# Altium PCB DAC_Sources.PcbDoc (part 8 of 8)
Units mm, origin at the board's own origin, x right, y up, seen from the top; angles counter-clockwise.
Board outline 277 x 137 mm, 8 copper layers (Top Layer, GND_02, SIG_03, PWR_04, PWR_05, SIG_06, GND_07, Bottom Layer), stack 1.669 mm thick; 635 components, 416 nets, 2247 pads, 2216 vias.
Unrouted connection lines stored in the file: 515.
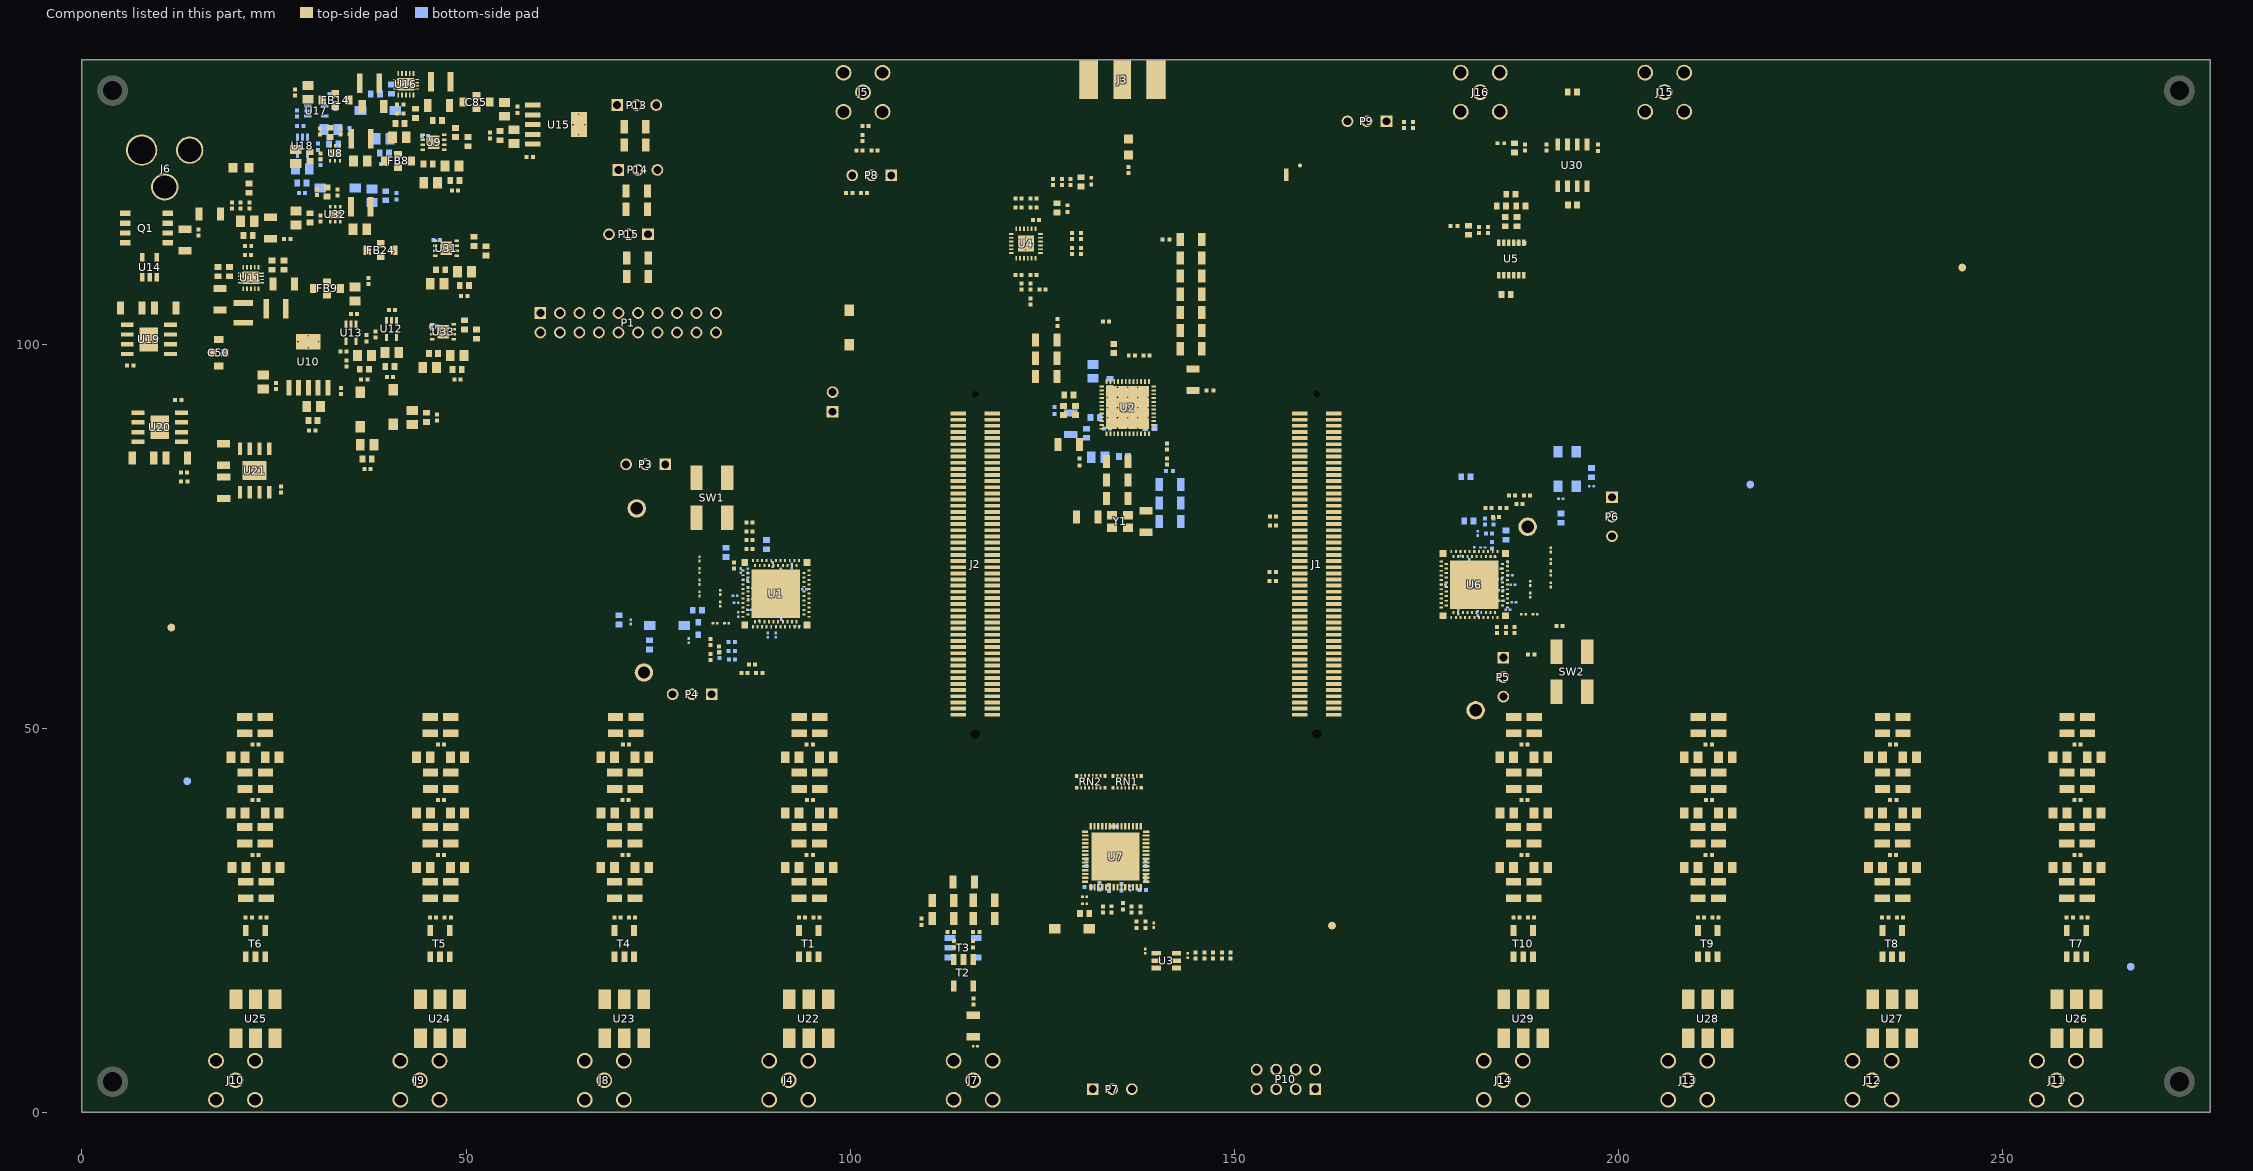
[diagram p14: the components of this part, seen from the top]

## Polygon pours and split planes (outlines as drawn) (continued)
GND on Top Layer "GND_L01_P034" (solid, remove dead copper, pour order 34): 48.44,121.68 47.89,122.23 47.89,123.96 47.67,124.18 47.07,124.18 46.52,124.73 46.52,127.03 46.43,127.12 45.31,127.12 45.02,126.83 45.02,124.3 45.29,124.03 45.29,123.02 45.74,122.57 45.74,120.01 46.33,119.42 48.17,119.42 48.44,119.69
NetC37_2 on Top Layer "NETC37_2_L01_P033" (solid, remove dead copper, pour order 33): 44.86,125.03 44.74,125.15 44.74,126.13 44.67,126.2 44.06,126.2 43.7,125.84 43.7,125.34 43.06,124.7 42.37,124.7 42.21,124.54 42.21,123.04 42.49,122.76 42.49,121.14 43.81,119.82 44.87,119.82 45.4,120.35 45.4,122.34 44.86,122.88
NetC85_1 on Top Layer "NETC85_1_L01_P031" (solid, remove dead copper, pour order 31): 48.91,136.06 50.14,134.83 50.14,130.88 49.93,130.67 47.18,130.67 46.62,131.23 46.62,135.9 46.78,136.06
6V on Top Layer "6V_L01_P030" (solid, remove dead copper, pour order 30): 43.084,127.936 42.46,128.56 42.46,132.02 42.35,132.13 42.35,132.75 42.2,132.9 41.63,132.9 41.48,132.75 41.48,126.06 42.07,125.47 42.91,125.47 43.084,125.644
NetC34_1 on Top Layer "NETC34_1_L01_P029" (solid, remove dead copper, pour order 29): 36.84,128.24 38.09,128.24 38.64,127.69 38.64,124.82 38.98,124.48 39.93,124.48 40.04,124.37 40.04,123.18 39.84,122.98 36.65,122.98 36.41,123.22 36.41,125.07 36.59,125.25 36.56,125.28 36.56,127.96
GND on Top Layer "GND_L01_P028" (solid, remove dead copper, pour order 28): 27.74,124.72 29.11,124.72 29.27,124.56 31.9,124.56 32.15,124.31 33.31,124.31 33.43,124.19 33.43,123.02 33.58,122.87 35.79,122.87 36.02,123.1 36.02,124.51 35.78,124.75 34.37,124.75 33.72,125.4 33.28,125.4 33.16,125.52 33.16,126.03 33.09,126.1 32.83,126.1 32.74,126.01 32.74,125.47 32.65,125.38 29.15,125.38 28.6,125.93 27.491,125.93 27.381,125.82
NetC64_2 on Top Layer "NETC64_2_L01_P027" (solid, remove dead copper, pour order 27): 41.88,93.55 41.44,93.11 40,93.11 39.79,93.32 39.79,94.66 40.26,95.13 40.26,100.99 40.76,101.49 41.42,101.49 41.88,101.03
GND on Top Layer "GND_L01_P026" (solid, remove dead copper, pour order 26): 38.58,99.69 38.23,99.34 37.14,99.34 36.89,99.09 36.89,95.03 37.37,94.55 39.35,94.55 40,95.2 40,99.68 40.01,99.69
GND on Top Layer "GND_L01_P025" (solid, remove dead copper, pour order 25): 46.43,91.97 47.24,91.16 47.24,90.75 47.06,90.57 42.3,90.57 41.88,90.99 41.88,91.72 42.13,91.97
1.2VDAC1 on Top Layer "1.2VDAC1_L01_P024" (solid, remove dead copper, pour order 24): 43.09,88.51 42.72,88.14 40.05,88.14 39.68,88.51 39.68,90.24 39.84,90.4 47.1,90.4 47.32,90.18 47.32,89.76 46.07,88.51
VCCO_13 on Top Layer "VCCO_13_L01_P023" (solid, remove dead copper, pour order 23): 48.51,111.25 49.02,110.74 49.64,110.74 50.1,110.28 50.1,108.24 49.86,108 49.86,105.83 50.07,105.62 51.19,105.62 51.72,106.15 51.72,110.2 49.53,112.39 48.55,112.39 48.51,112.35
VCCO_13 on Top Layer "VCCO_13_L01_P022" (solid, remove dead copper, pour order 22): 48.14,101.32 48.13,101.31 48.13,100.39 49.17,99.35 49.17,95.81 48.98,95.62 48.98,94.99 49.07,94.9 50.98,94.9 51.31,95.23 51.31,98.76 48.77,101.3 48.77,101.45 48.73,101.49 48.2,101.49 48.14,101.43
GND on Top Layer "GND_L01_P021" (solid, remove dead copper, pour order 21): 48.72,99.07 47.74,100.05 47.74,101.07 46.47,101.07 46.29,100.89 46.29,99.96 45.91,99.58 45.91,98.12 45.54,97.75 45.54,95.31 46.07,94.78 48.46,94.78 48.72,95.04
NetC291_2 on Top Layer "Top Layer-NetC291_2" (solid, remove dead copper, pour order 20): 45.57,100.07 45.97,100.47 45.97,101.43 45.86,101.54 45.26,101.54 44.79,102.01 44.79,105.95 45.94,107.1 45.94,108.78 46.39,109.23 46.39,112.25 46.33,112.31 43.27,112.31 42.63,112.95 40.15,112.95 40.07,112.87 40.07,111.31 40.4,110.98 44.08,110.98 44.54,110.53 44.54,107.66 43.62,106.74 43.62,96.24 43.84,96.02 44.8,96.02 45.01,96.23 45.01,97.79 45.28,98.06 45.44,98.06 45.57,98.19
GND on Top Layer "GND_L01_P018" (solid, remove dead copper, pour order 18): 48.17,113.32 48.17,110.79 48.68,110.28 49.41,110.28 49.53,110.16 49.53,106.69 49.65,106.57 49.65,105.92 49.51,105.78 47.29,105.78 46.54,106.53 46.54,108.64 46.91,109.01 46.91,111.49 46.69,111.71
NetC295_1 on Top Layer "NETC295_1_L01_P016" (solid, remove dead copper, pour order 16): 37.66,115.72 38.12,116.18 38.12,120.694 37.75,121.064 31.624,121.064 31.34,120.78 31.34,120.13 31.62,119.85 36.206,119.85 36.76,119.296 36.76,116.09 36.47,115.8 36.47,111.67 36.65,111.49 37.52,111.49 37.66,111.63
GND on Top Layer "GND_L01_P015" (solid, remove dead copper, pour order 15): 32.07,117.46 32.14,117.39 33.86,117.39 34.13,117.12 34.13,116.26 34.47,115.92 35.73,115.92 35.96,115.69 35.96,114.02 35.8,113.86 34.23,113.86 33.46,114.63 33.46,116.26 33.26,116.46 29.29,116.46 29.04,116.71 29.04,117.38 29.12,117.46
NetC96_1 on Top Layer "NETC96_1_L01_P014" (solid, remove dead copper, pour order 14): 37.49,131.32 36.95,130.78 34.2,130.78 34.05,130.93 34.05,135.33 35.19,136.47 37.34,136.47 37.49,136.32
GND on Top Layer "GND_L01_P013" (solid, remove dead copper, pour order 13): 21.5,117.14 21.63,117.27 21.92,117.27 22.07,117.42 22.07,117.89 22.02,117.94 19.26,117.94 18.824,117.504 18.824,115.216 20.09,113.95 20.09,111.45 20.42,111.12 21.32,111.12 21.5,111.3
GND on Top Layer "GND_L01_P012" (solid, remove dead copper, pour order 12): 124.74,99.72 124.74,101.3 124.3,101.74 122.78,101.74 121.83,100.79 121.83,96.55 123.67,94.71 124.57,94.71 124.75,94.89
3.3VCLK on Top Layer "3.3VCLK_L01_P009" (solid, remove dead copper, pour order 9): 141,114.67 140.84,114.83 139.98,114.83 139.44,114.29 139.44,113.52 139.79,113.17 140.78,113.17 141,113.39
VCC_OUT on Top Layer "VCC_OUT_L01_P008" (solid, remove dead copper, pour order 8): 143.47,114.57 143.56,114.48 143.56,97.83 143.14,97.41 141.26,97.41 140.86,97.81 140.86,99.25 141.48,99.87 141.48,113.1 141.22,113.36 141.22,114.03 141.76,114.57
6V on Top Layer "Top Layer-6V" (solid, remove dead copper, pour order 7): 22.509,120.514 22.205,120.21 18.49,120.21 17.32,119.04 17.32,115.93 17.57,115.68 18.22,115.68 18.57,116.03 18.57,117.619 19.071,118.12 22.259,118.12 22.339,118.04 22.339,117.309 21.73,116.7 21.73,110.49 21.82,110.4 21.82,109.7 21.92,109.6 22.54,109.6 22.73,109.79 22.73,111.67 24.07,113.01 26.589,113.01 26.74,113.161 26.74,114.25 27.35,114.86 32.61,114.86 33.19,115.44 33.19,116.12 33.1,116.21 26.43,116.21 25.41,115.19 23.756,115.19 23.34,115.606 23.34,119.36 26.84,122.86 32.42,122.86 33.16,123.6 33.16,124.03 33.1,124.09 31.54,124.09 31.28,124.35 26.04,124.35 22.509,120.819
GND on Top Layer "GND_L01_P004" (solid, remove dead copper, pour order 4): 14.87,112.72 15.09,112.5 15.09,111.12 14.56,110.59 12.88,110.59 12.38,111.09 12.38,112.57 12.53,112.72
VIN_HDR on Top Layer "VIN_HDR_L01_P003" (solid, remove dead copper, pour order 3): 10.43,114.09 10.43,112.86 10.57,112.72 11.74,112.72 12.02,113 12.02,113.905 12.205,114.09 13.98,114.09 14.41,114.52 15.749,114.52 16.09,114.861 16.09,117.76 15.93,117.92 14.62,117.92 12.8,116.1 10.38,116.1 10.12,115.84 10.12,114.4
V+U5 on Top Layer "V+U5_L01_P001" (solid, remove dead copper, pour order 1): 180.26,115.01 179.01,115.01 178.75,115.27 178.75,115.68 178.97,115.9 183.89,115.9 184.04,115.75 184.04,115.44 183.62,115.02 183.14,115.02
VCC_DS on Top Layer "VCC_DS_L01_P000" (solid, remove dead copper, pour order 0): 184.86,125.87 185,125.73 192.09,125.73 192.43,126.07 192.43,126.77 192.31,126.89 191.4,126.89 191.06,126.55 184.7,126.55 184.68,126.53 184.68,126.05
VIN_HDR on Bottom Layer "VIN_HDR_L08_P078" (solid, remove dead copper, pour order 78): 40.1,117.21 67.11,90.2 111.16,90.2 117.52,83.84 117.52,67.46 116.87,66.81 115.91,66.81 114.839,67.881 114.839,82.531 110.53,86.84 59.56,86.84 37.82,108.58 15.63,108.58 11.49,112.72 11.49,116.73 11.97,117.21
3.3VCLK on Bottom Layer "3.3VCLK_L08_P076" (solid, remove dead copper, pour order 76): 49.66,119.39 49.66,123.77 51.95,126.06 101.625,126.06 101.63,126.065 103.565,124.13 132.32,124.13 135.35,121.1 163.99,121.1 170.77,127.88 183.12,127.88 185.08,125.92 185.08,115.77 161.43,92.12 147.94,92.12 147.21,92.85 147.21,99.7 143.36,103.55 131.54,103.55 128.56,100.57 116.6,100.57 108.45,92.42 95.4,92.42 93.87,93.95 93.87,102.03 84.88,111.02 58.03,111.02
3.3VCLK_PECL on Bottom Layer "3.3VCLK_PECL_L08_P075" (solid, remove dead copper, pour order 75): 124.65,122.29 125.06,122.7 126.6,122.7 126.82,122.48 126.82,121.48 126.45,121.11 126.146,121.11 125.866,120.83 125.866,118.994 126.68,118.18 128.62,118.18 129.49,117.31 129.49,111.1 128.37,109.98 121.33,109.98 119.54,111.77 119.54,119.15 119.81,119.42 124.42,119.42 124.65,119.66
IOVDD_DAC2 on Bottom Layer "IOVDD_DAC2_L08_P069" (solid, remove dead copper, pour order 69): 196.92,83.07 194.56,83.07 193.88,82.39 193.88,80.74 193.99,80.63 195.3,80.63 196.03,81.36 196.38,81.36 196.38,81.79 196.91,82.32
GND on Bottom Layer "GND_L08_P049" (solid, remove dead copper, pour order 49): 38.82,127.52 38.98,127.36 38.98,125.55 39.2,125.33 39.2,122.78 39.28,122.7 39.28,122.3 39.18,122.2 38.21,122.2 37.44,122.97 37.44,127.22 37.74,127.52
1.2VDAC2 on Bottom Layer "1.2VDAC2_L08_P048" (solid, remove dead copper, pour order 48): 39.49,130.54 40.01,131.06 41.49,131.06 41.55,131 41.55,128.3 40.7,127.45 40.7,125.98 40.36,125.64 40.36,121.77 40.14,121.55 39.86,121.55 39.58,121.83 39.58,123.09 39.49,123.18
GND on Bottom Layer "GND_L08_P046" (solid, remove dead copper, pour order 46): 37.04,119.12 36.87,118.95 36.87,117.87 37.66,117.08 41.66,117.08 41.82,117.24 41.82,117.91 41.31,118.42 41.31,119.05 41.24,119.12
1.2VCLK_DAC2 on Bottom Layer "1.2VCLK_DAC2_L08_P045" (solid, remove dead copper, pour order 45): 36.84,119.71 37.03,119.52 40.48,119.52 40.6,119.4 41.43,119.4 41.81,119.02 42.24,119.02 42.54,119.32 42.54,120.14 41.61,121.07 34.94,121.07 34.55,120.68 34.55,119.87 34.71,119.71
GND on Bottom Layer "GND_L08_P044" (solid, remove dead copper, pour order 44): 28.42,123.53 28.49,123.46 28.49,119.37 28.31,119.19 27.62,119.19 26.45,120.36 26.45,122.77 27.21,123.53
NetC106_2 on Bottom Layer "NETC106_2_L08_P043" (solid, remove dead copper, pour order 43): 27.86,124.97 27.86,124.2 27.98,124.08 28.414,124.08 29.03,123.464 29.03,121.63 28.84,121.44 28.84,119.44 28.96,119.32 31.64,119.32 32.11,119.79 32.11,120.71 31.85,120.97 30.36,120.97 30.12,121.21 30.12,123.62 29.73,124.01 29.12,124.01 28.87,124.26 28.87,124.52 28.21,125.18 28.07,125.18
1.2VDIGI_DAC2 on Bottom Layer "1.2VDIGI_DAC2_L08_P042" (solid, remove dead copper, pour order 42): 27.64,129.91 27.41,130.14 27.41,132.66 27.42,132.67 27.15,132.94 26.76,132.94 26.54,132.72 26.54,128.955 27.41,128.085 27.41,126.49 27.55,126.35 28.19,126.35 28.31,126.47 28.31,128.9 28.86,129.45 29.96,129.45 30.04,129.53 30.04,129.85 29.98,129.91
GND on Bottom Layer "GND_L08_P041" (solid, remove dead copper, pour order 41): 29.49,128.09 28.75,128.09 28.67,128.17 28.67,128.53 28.76,128.62 29.41,128.62 30.04,129.25 30.61,129.25 31.22,128.64 32.09,128.64 31.4,127.19 31.12,126.91 31.12,125.86 31.01,125.75 30.53,125.75 30.47,125.81 30.47,127.11
GND on Bottom Layer "GND_L08_P040" (solid, remove dead copper, pour order 40): 32.54,126.33 32.54,125.24 32.71,125.07 33.75,125.07 34.03,124.79 34.03,124.56 33.72,124.25 33.71,124.26 32.2,124.26 31.78,124.68 31.78,126.26 31.98,126.46
NetC99_2 on Bottom Layer "NETC99_2_L08_P039" (solid, remove dead copper, pour order 39): 34.37,129.91 35.05,130.59 35.05,130.94 35.37,131.26 37.01,131.26 37.3,130.97 37.3,129.19 35.96,127.85 34.441,127.85 33.81,127.219 33.81,125.49 33.72,125.4 33.08,125.4 32.74,125.74 32.74,128.72 32.49,128.97 31.36,128.97 30.94,129.39 30.94,129.73 31.12,129.91
3.3VA_DAC1 on SIG_06 "3.3VA_DAC1_L06_P091" (solid, remove dead copper, pour order 91): 55.22,82.47 42.34,82.47 35.06,89.84 31.45,89.84 30.7,89.09 30.7,86.12 37.53,79.29 52.74,79.29 67.2,64.83 85.76,64.83 87.03,66.1 87.03,69.11 87,69.78 87,70.38 82.28,75.1 62.59,75.1
IOVDD_DAC1 on SIG_06 "IOVDD_DAC1_L06_P090" (solid, remove dead copper, pour order 90): 75.88,61.88 76.18,61.58 88.251,61.58 89.15,62.479 89.15,70.314 90.246,71.41 94.07,71.41 95.28,70.2 95.28,64.18 88.25,57.15 76.13,57.15 72.06,61.22 72.06,61.58 72.36,61.88
3.3V_LOGIC on SIG_06 "3.3V_LOGIC_L06_P083" (solid, remove dead copper, pour order 83): 186.45,60.51 186.45,56.03 186.064,55.644 172.476,55.644 170.28,57.76 149.38,78.66 126.02,78.66 115.05,89.63 100.48,89.63 86.69,75.84 67.01,75.84 64.05,78.8 64.05,90.08 72.6,98.63 86.35,98.63 89.79,102.07 95.28,102.07 98.93,102.1 166.55,102.1 176.18,92.47 176.18,65.859 179.959,62.08 184.88,62.08
6V on SIG_06 "6V_L06_P094" (solid, remove dead copper, pour order 94): 13.65,136.69 0.49,123.53 0.49,87.31 4.4,83.4 11.87,83.4 14.51,86.04 23.65,86.04 35.34,97.73 35.34,123.59 36.47,124.72 42.83,124.72 44.32,126.21 44.32,135.75 43.38,136.69
1.8V_AVDD on SIG_06 "1.8V_AVDD_L06_P092" (solid, remove dead copper, pour order 92): 13.69,83.22 14.37,83.9 15.35,83.9 17.17,82.08 17.2,80.42 17.2,55.37 45.97,26.6 119.53,26.6 122.88,23.25 125.68,23.25 127.82,25.39 127.82,29.47 131.16,32.81 140.21,32.81 141.17,31.85 141.17,26.86 134.84,20.53 35.35,20.53 6.94,48.94 6.94,72.92 13.69,79.67
VCC_OUT on SIG_06 "VCC_OUT_L06_P077" (solid, remove dead copper, pour order 77): 135.225,91.815 135.225,95.396 133.67,96.951 133.67,97.93 134.028,98.288 135.029,98.288 135.337,97.98 143.25,97.98 143.35,97.88 143.35,96.5 141.35,94.5 141.35,91.446 140.787,90.882 140.012,90.882 139.11,89.98 139.11,87.4 138.87,87.16 137.027,87.16 136.78,87.408 136.78,90.26
1.2VDAC2 on SIG_06 "SIG_06-1.2VDAC2" (solid, remove dead copper, pour order 86): 185.39,66.15 185.4,66.14 187,66.14 188.6,67.74 188.6,72.71 190.81,74.92 193.21,74.92 193.77,75.48 193.77,76.999 193.229,77.54 191.33,77.54 186.13,72.34 185.72,72.34 183.272,72.34 180.79,74.822 180.79,92.86 161.47,112.18 138.97,112.18 75.4,112.18 64.51,123.07 39.899,123.07 39.58,122.751 39.58,121.5 40.78,120.3 58.95,120.3 73.23,106.02 164.29,106.02 177.45,92.86 177.45,68.56 179.86,66.15
3.3VA_DAC2 on SIG_06 "3.3VA_DAC2_L06_P082" (solid, remove dead copper, pour order 82): 151.74,125.5 183.525,93.715 183.525,74.105 184.52,73.11 185.91,73.11 186.74,73.94 186.74,79.57 191.27,84.1 196.18,84.1 197.63,85.55 197.63,87.26 195.63,89.26 195.63,94.53 160.9,129.26 52.36,129.26 50.41,127.31 50.41,126.46 51.37,125.5
VDD on SIG_06 "VDD_L06_P074" (solid, remove dead copper, pour order 74): 123.4,117.39 128.02,117.39 128.58,116.83 128.58,115.93 127.05,114.4 127.05,111.9 125.78,110.63 125.17,110.63 123.21,112.59 123.21,117.2
1.2VDAC1 on SIG_03 "1.2VDAC1_L03_P081" (solid, remove dead copper, pour order 81): 86.31,64.91 86.31,65.11 86.093,65.327 85.776,65.644 85.776,67.023 85.925,67.172 86.22,67.172 86.35,67.302 86.35,67.58 86.35,67.595 86.081,67.864 85.925,67.864 85.776,68.013 85.776,69.423 85.925,69.572 86.173,69.572 86.35,69.749 86.35,70.09 84.794,71.646 83.596,71.646 83.43,71.48 83.43,71.17 85.11,69.49 85.11,65.549 85.849,64.81 86.21,64.81
1.2VDIGI_DAC1 on SIG_03 "1.2VDIGI_DAC1_L03_P089" (solid, remove dead copper, pour order 89): 90.03,72.044 92.383,72.044 92.53,71.897 92.53,63.22 92.16,62.85 90.028,62.85 88.28,64.598 88.28,70.54 88.55,70.81 89.872,70.81 90.03,70.968 90.03,71.67
3.3VA_DAC2 on SIG_03 "3.3VA_DAC2_L03_P080" (solid, remove dead copper, pour order 80): 184.94,65.839 185.639,65.839 186.136,66.336 186.136,73.714 185.88,73.97 184.884,73.97 184.78,73.866 184.78,65.999
GND on PWR_05 "GND_L05_P099" (solid, remove dead copper, pour order 99): 0,0 0,137 277,137 277,0
VCCO_13 on PWR_05 "VCCO_13_L05_P088" (solid, remove dead copper, pour order 88): 64.5,109.91 62.11,107.52 53.06,107.52 52.03,108.55 50.23,108.55 49.585,107.905 49.585,95.045 55.51,89.12 77.74,89.12 105.02,61.84 105.02,52.73 106.29,51.46 157.3,51.46 162.19,56.35 162.19,64.39 158.16,68.42 149.32,68.42 119.75,97.99 107.83,109.91
IOVDD_DAC2 on PWR_05 "IOVDD_DAC2_L05_P084" (solid, remove dead copper, pour order 84): 176.38,69.28 176.38,67.04 179.174,64.246 187.486,64.246 198.08,74.84 198.08,83 197.16,83.92 187.283,83.92 176.024,72.661 176.024,69.636
1.8V_DRVDD on PWR_05 "1.8V_DRVDD_L05_P093" (solid, remove dead copper, pour order 93): 36.16,35.9 19.55,52.51 19.55,70.97 19.55,79.18 18.61,80.12 11.83,80.12 8.3,76.59 8.3,45.34 22.68,30.96 138.8,30.96 139.93,32.09 139.93,34.82 136,38.75 133.51,38.75 130.66,35.9
GND on PWR_04 "GND_L04_P098" (solid, remove dead copper, pour order 98): 0,0 0,137 277,137 277,0
1.2VDIGI_DAC2 on PWR_04 "1.2VDIGI_DAC2_L04_P087" (solid, remove dead copper, pour order 87): 179.246,64.194 181.478,64.194 182.14,64.856 182.14,71.86 182.73,72.45 182.73,73.33 182.389,73.671 181.759,73.671 181.539,73.891 181.539,80.681 181.17,81.05 181.21,81.09 181.21,83.86 180.882,84.188 180.338,84.188 179.96,83.81 179.96,79.46 179.06,78.56 179.06,64.38
GND on GND_02 "GND_L02_P095" (solid, remove dead copper, pour order 95): 0,0 0,137 277,137 277,0
GND on GND_07 "GND_L07_P096" (solid, remove dead copper, pour order 96): 0,0 0,137 277,137 277,0

## Other copper
Top Layer:
  region net GND: 66.09,136.31 66.09,119.99 68.12,119.99 68.12,136.31
  rectangle net GND: 54.16,119.99 68.12,122.57
  region net GND: 54.16,122.57 54.16,74.44 57.83,74.44 57.83,122.57
  rectangle net GND: 0.65,74.44 57.78,77.77
  rectangle net VIN_HDR: 118.53,67.56 163.9,68.78
  rectangle net GND: 17.62,82.36 23,84.73
  rectangle net GND: 22.89,95.64 24.34,97.25
  rectangle net NetL4_1: 43.08,134.92 45.29,135.52
  rectangle net NetL1_1: 33.48,125.59 35.14,126.02
  rectangle net NetL70_1: 33.49,117.65 35,118.07
  rectangle net GND: 23.91,116.36 25.11,117.77
  rectangle net GND: 27.27,117.2 28.47,118.61
  rectangle net NetL5_1: 38.85,134.93 41.2,135.46
  text "COMPONENT SIDE" at 31.171,-30.145 h1.6
GND_02:
  text "GND_02" at 31.18,-30.15 h1.6
SIG_03:
  text "SIG_03" at 31.18,-30.15 h1.6
SIG_06:
  rectangle net 1.2VDIGI_DAC2: 26.75,132.003 27.22,132.693
  rectangle net 1.2VCLK_DAC2: 41.75,119.33 42.22,120.02
  text "SIG_06" at 31.24,-30.17 h1.6
GND_07:
  text "GND_07" at 31.22,-30.16 h1.6
PWR_04:
  text "PWR_04" at 31.27,-30.15 h1.6
PWR_05:
  text "PWR_05" at 31.26,-30.18 h1.6
Bottom Layer:
  rectangle net PLL_AVDD_DAC2: 192.02,80.02 192.38,81.49
  text "PRINT SIDE" at 31.3,-30.16 h1.6
Multi-Layer:
  drawing of 402 lines, arcs and shapes, not listed

## Silkscreen, mask and mechanical layers (free items; w line width, h text height)
Top Overlay:
  text "SILK CS" at 30.86,-29.95 h1.6
Bottom Overlay:
  text "SILK PS" at 30.89,-29.95 h1.6
Top Paste:
  text "PASTE CS" at 30.867,-29.945 h1.6
Bottom Paste:
  text "PASTE PS" at 30.86,-29.92 h1.6
Top Solder:
  text "SOLDERMASK CS" at 30.85,-29.93 h1.6
Bottom Solder:
  the board outline again, w0.381
  text "SOLDERMASK PS" at 30.86,-29.96 h1.6
Top Assembly top/Assembly Bot:
  text "ASSEMBLY TOP" at 30.84,-29.86 h1.6
Bottom Assembly top/Assembly Bot:
  text "ASSEMBLY BOT" at 30.86,-29.85 h1.6
Board:
  the board outline again, w0.051
LOGO:
  drawing of 7037 lines, arcs and shapes, not listed
  text "PROJ :" at 22.104,-20.493 h1.6
  text "DAC SOURCES" at 30.892,-20.493 h1.6
  text "BY   :" at 22.104,-23.668 h1.6
  text "REV  :" at 22.104,-26.843 h1.6
  text "A" at 31.019,-26.97 h1.6
  text "LAYER:" at 22.129,-29.815 h1.6
  text "28/09/2024" at 31.019,-33.193 h1.6
  text "DATE :" at 22.231,-33.32 h1.6
Drill Drawing:
  drawing of 344 lines, arcs and shapes, not listed
  text "4" at 26.163,311.787 h6.35
  text "3" at 163.323,311.787 h6.35
  text "2" at 305.563,311.787 h6.35
  text "REVISIONS" at 404.623,301.627 h2.54
  text "REV" at 343.663,294.007 h2.54
  text "DESCRIPTION" at 389.383,294.007 h2.54
  text "DATE" at 463.043,294.007 h2.54
  text "APPROVED" at 483.364,294.007 h2.54
  text "INITIAL RELEASE" at 383.089,286.682 h2.54
  text "28/09/24" at 459.54,286.31 h2.54
  text "A" at 344.625,285.186 h5.08
  text "D" at -34.797,266.067 h6.35
  text "D" at 511.304,266.067 h6.35
  text "INSTRUCTIONS:" at 279.777,251.323 h3.81
  text "1. PCB 8 LAYERS, 1.6MM Er=3.8, TG-180" at 288.364,240.966 h3.81
  text "1.6MM 8 LAYERS STACK UP:" at 91.894,238.454 h3.81
  text "2. WHITE SILKSCREEN, GREEN SOLDER MASK." at 288.364,234.894 h3.81
  text "Layer" at 92.473,230.344 h1.52
  text "Name" at 102.885,230.344 h1.52
  text "Material" at 126.5,230.344 h1.52
  text "Thickness" at 148.338,230.344 h1.52
  text "Constant" at 164.844,230.344 h1.52
  text "3. CONTROLLED IMPEDANCE ABOVE:" at 288.364,228.524 h3.81
  text "Top Overlay" at 102.885,227.296 h1.52
  text "Top Solder" at 102.885,224.248 h1.52
  text "Solder Resist" at 126.5,224.248 h1.52
  text "0.40mil" at 148.338,224.248 h1.52
  text "3.5" at 164.844,224.248 h1.52
  text "100 OHM DIFFERENTIAL:" at 299.494,222.204 h3.81
  text "1" at 92.473,221.2 h1.52
  text "Top Layer" at 102.885,221.2 h1.52
  text "1.40mil" at 148.338,221.2 h1.52
  text "Dielectric 2" at 102.885,218.152 h1.52
  text "PP-006" at 126.5,218.152 h1.52
  text "4.00mil" at 148.338,218.152 h1.52
  text "3.8" at 164.844,218.152 h1.52
  text "L1,L8 - WIDTH 5MIL SPACING 4 MIL" at 299.907,216.916 h3.81
  text "2" at 92.473,215.104 h1.52
  text "GND_02" at 102.885,215.104 h1.52
  text "CF-004" at 126.5,215.104 h1.52
  text "1.38mil" at 148.338,215.104 h1.52
  text "Dielectric 4" at 102.885,212.056 h1.52
  text "PP-006" at 126.5,212.056 h1.52
  text "5.00mil" at 148.338,212.056 h1.52
  text "3.8" at 164.844,212.056 h1.52
  text "L3,L6 - WIDTH 4MIL SPACING 5 MIL" at 299.99,210.762 h3.81
  text "3" at 92.473,209.008 h1.52
  text "SIG_03" at 102.885,209.008 h1.52
  text "CF-004" at 126.5,209.008 h1.52
  text "0.69mil" at 148.338,209.008 h1.52
  text "Dielectric 6" at 102.885,205.96 h1.52
  text "PP-006" at 126.5,205.96 h1.52
  text "10.00mil" at 148.338,205.96 h1.52
  text "3.8" at 164.844,205.96 h1.52
  text "50 OHM SINGLE ENDED:" at 300.024,204.054 h3.81
  text "4" at 92.473,202.912 h1.52
  text "PWR_04" at 102.885,202.912 h1.52
  text "CF-004" at 126.5,202.912 h1.52
  text "1.38mil" at 148.338,202.912 h1.52
  text "Dielectric 1" at 102.885,199.864 h1.52
  text "FR-4" at 126.5,199.864 h1.52
  text "18.00mil" at 148.338,199.864 h1.52
  text "3.8" at 164.844,199.864 h1.52
  text "L1,L8 - WIDTH 7.5MIL." at 300.779,198.538 h3.81
  text "5" at 92.473,196.816 h1.52
  text "PWR_05" at 102.885,196.816 h1.52
  text "CF-004" at 126.5,196.816 h1.52
  text "1.38mil" at 148.338,196.816 h1.52
  text "Dielectric 7" at 102.885,193.768 h1.52
  text "PP-006" at 126.5,193.768 h1.52
  text "10.00mil" at 148.338,193.768 h1.52
  text "3.8" at 164.844,193.768 h1.52
  text "L3,L6 - WIDTH 6MIL." at 300.862,192.383 h3.81
  text "6" at 92.473,190.72 h1.52
  text "SIG_06" at 102.885,190.72 h1.52
  text "CF-004" at 126.5,190.72 h1.52
  text "0.69mil" at 148.338,190.72 h1.52
  text "Dielectric 5" at 102.885,187.672 h1.52
  text "PP-006" at 126.5,187.672 h1.52
  text "5.00mil" at 148.338,187.672 h1.52
  text "3.8" at 164.844,187.672 h1.52
  text "4. PCB FABRICATION UNDER IPC-6012." at 288.364,185.506 h3.81
  text "7" at 92.473,184.624 h1.52
  text "GND_07" at 102.885,184.624 h1.52
  text "CF-004" at 126.5,184.624 h1.52
  text "1.38mil" at 148.338,184.624 h1.52
  text "Dielectric 3" at 102.885,181.576 h1.52
  text "PP-006" at 126.5,181.576 h1.52
  text "4.00mil" at 148.338,181.576 h1.52
  text "3.8" at 164.844,181.576 h1.52
  text "8" at 92.473,178.528 h1.52
  text "Bottom Layer" at 102.885,178.528 h1.52
  text "1.40mil" at 148.338,178.528 h1.52
  text "5. HOLE TOLERANCE: +2/-2 MIL FOR HOLES UP TO 40MIL" at 288.364,178.184 h3.81
  text "Bottom Solder" at 102.885,175.48 h1.52
  text "Solder Resist" at 126.5,175.48 h1.52
  text "0.40mil" at 148.338,175.48 h1.52
  text "3.5" at 164.844,175.48 h1.52
  text "Bottom Overlay" at 102.885,172.432 h1.52
  text "FROM 40MIL +3/-3 MIL TOLERANCE." at 299.394,171.974 h3.81
  text "4. PCB FABRICATION UNDER IPC-6012." at 288.364,166.059 h3.81
  text "5. FINISHING -  ENIG  0.04-0.10um OF GOLD OVER A MINIMUM OF" at 288.364,160.303 h3.81
  text "3-6um OF NICKEL PER IPC-4552" at 299.284,154.884 h3.81
  text "C" at 508.764,151.767 h6.35
  text "6. PCB IS ROHS COMPATIBLE." at 288.364,149.143 h3.81
  text "C" at -34.797,144.147 h6.35
  text "7. ELECTRICAL TEST IS REQUIRED BY IPC-D-356 NETLIST." at 288.364,142.258 h3.81
  text "DRILL TABLE:" at 305.584,106.474 h3.81
  text "Symbol" at 306.109,100.93 h1.83
  text "Count" at 318.958,100.93 h1.83
  text "Hole Size" at 335.718,100.93 h1.83
  text "Plated" at 364.919,100.93 h1.83
  text "Hole Type" at 377.769,100.93 h1.83
  text "Drill Layer Pair" at 396.407,100.93 h1.83
  text "Via/Pad" at 434.496,100.93 h1.83
  text "Pad Shape" at 449.478,100.93 h1.83
  text "1" at 318.958,97.12 h1.52
  text "3.556mm (140.00mil)" at 335.718,97.12 h1.52
  text "PTH" at 364.919,97.12 h1.52
  text "Round" at 377.769,97.12 h1.52
  text "Top Layer - Bottom Layer" at 396.407,97.12 h1.52
  text "Pad" at 434.496,97.12 h1.52
  text "Rounded" at 449.478,97.12 h1.52
  text "2" at 318.958,93.31 h1.52
  text "0.800mm (31.50mil)" at 335.718,93.31 h1.52
  text "NPTH" at 364.919,93.31 h1.52
  text "Round" at 377.769,93.31 h1.52
  text "Top Layer - Bottom Layer" at 396.407,93.31 h1.52
  text "Pad" at 434.496,93.31 h1.52
  text "Rounded" at 449.478,93.31 h1.52
  text "A" at 305.37,93.056 h1.69
  text "2" at 318.958,89.5 h1.52
  text "1.000mm (39.37mil)" at 335.718,89.5 h1.52
  text "PTH" at 364.919,89.5 h1.52
  text "Round" at 377.769,89.5 h1.52
  text "Top Layer - Bottom Layer" at 396.407,89.5 h1.52
  text "Via" at 434.496,89.5 h1.52
  text "Rounded" at 449.478,89.5 h1.52
  text "2" at 318.958,85.69 h1.52
  text "1.200mm (47.24mil)" at 335.718,85.69 h1.52
  text "NPTH" at 364.919,85.69 h1.52
  text "Round" at 377.769,85.69 h1.52
  text "Top Layer - Bottom Layer" at 396.407,85.69 h1.52
  text "Pad" at 434.496,85.69 h1.52
  text "Rounded" at 449.478,85.69 h1.52
  text "2" at 318.958,81.88 h1.52
  text "3.048mm (120.00mil)" at 335.718,81.88 h1.52
  text "PTH" at 364.919,81.88 h1.52
  text "Round" at 377.769,81.88 h1.52
  text "Top Layer - Bottom Layer" at 396.407,81.88 h1.52
  text "Pad" at 434.496,81.88 h1.52
  text "Rounded" at 449.478,81.88 h1.52
  text "4" at 318.958,78.07 h1.52
  text "1.600mm (62.99mil)" at 335.718,78.07 h1.52
  text "PTH" at 364.919,78.07 h1.52
  text "Round" at 377.769,78.07 h1.52
  text "Top Layer - Bottom Layer" at 396.407,78.07 h1.52
  text "Pad" at 434.496,78.07 h1.52
  text "Rounded" at 449.478,78.07 h1.52
  text "4" at 318.958,74.26 h1.52
  text "2.500mm (98.43mil)" at 335.718,74.26 h1.52
  text "PTH" at 364.919,74.26 h1.52
  text "Round" at 377.769,74.26 h1.52
  text "Top Layer - Bottom Layer" at 396.407,74.26 h1.52
  text "Pad" at 434.496,74.26 h1.52
  text "Rounded" at 449.478,74.26 h1.52
  text "40" at 318.958,70.45 h1.52
  text "0.305mm (12.00mil)" at 335.718,70.45 h1.52
  text "PTH" at 364.919,70.45 h1.52
  text "Round" at 377.769,70.45 h1.52
  text "Top Layer - Bottom Layer" at 396.407,70.45 h1.52
  text "Via" at 434.496,70.45 h1.52
  text "Rounded" at 449.478,70.45 h1.52
  text "58" at 318.958,66.64 h1.52
  text "0.200mm (7.87mil)" at 335.718,66.64 h1.52
  text "PTH" at 364.919,66.64 h1.52
  text "Round" at 377.769,66.64 h1.52
  text "Top Layer - Bottom Layer" at 396.407,66.64 h1.52
  text "Pad" at 434.496,66.64 h1.52
  text "Rounded" at 449.478,66.64 h1.52
  text "58" at 318.958,62.83 h1.52
  text "0.300mm (11.81mil)" at 335.718,62.83 h1.52
  text "PTH" at 364.919,62.83 h1.52
  text "Round" at 377.769,62.83 h1.52
  text "Top Layer - Bottom Layer" at 396.407,62.83 h1.52
  text "Via" at 434.496,62.83 h1.52
  text "Rounded" at 449.478,62.83 h1.52
  text "60" at 318.958,59.02 h1.52
  text "0.152mm (6.00mil)" at 335.718,59.02 h1.52
  text "PTH" at 364.919,59.02 h1.52
  text "Round" at 377.769,59.02 h1.52
  text "Top Layer - Bottom Layer" at 396.407,59.02 h1.52
  text "Via" at 434.496,59.02 h1.52
  text "Rounded" at 449.478,59.02 h1.52
  text "60" at 318.958,55.21 h1.52
  text "1.016mm (40.00mil)" at 335.718,55.21 h1.52
  text "PTH" at 364.919,55.21 h1.52
  text "Round" at 377.769,55.21 h1.52
  text "Top Layer - Bottom Layer" at 396.407,55.21 h1.52
  text "Pad" at 434.496,55.21 h1.52
  text "(Mixed)" at 449.478,55.21 h1.52
  text "60" at 318.958,51.4 h1.52
  text "1.549mm (61.00mil)" at 335.718,51.4 h1.52
  text "PTH" at 364.919,51.4 h1.52
  text "Round" at 377.769,51.4 h1.52
  text "Top Layer - Bottom Layer" at 396.407,51.4 h1.52
  text "Pad" at 434.496,51.4 h1.52
  text "Rounded" at 449.478,51.4 h1.52
  text "B" at 511.304,47.627 h6.35
  text "563" at 318.958,47.59 h1.52
  text "0.254mm (10.00mil)" at 335.718,47.59 h1.52
  text "PTH" at 364.919,47.59 h1.52
  text "Round" at 377.769,47.59 h1.52
  text "Top Layer - Bottom Layer" at 396.407,47.59 h1.52
  text "Via" at 434.496,47.59 h1.52
  text "Rounded" at 449.478,47.59 h1.52
  text "1493" at 318.958,43.78 h1.52
  text "0.203mm (8.00mil)" at 335.718,43.78 h1.52
  text "PTH" at 364.919,43.78 h1.52
  text "Round" at 377.769,43.78 h1.52
  text "Top Layer - Bottom Layer" at 396.407,43.78 h1.52
  text "Via" at 434.496,43.78 h1.52
  text "Rounded" at 449.478,43.78 h1.52
  text "B" at -34.797,42.547 h6.35
  text "2409 Total" at 318.958,39.97 h1.52
  text "UNLESS OTHERWISE SPECIFIED" at 256.033,-28.573 h1.91
  text "SIGNATURES" at 327.153,-28.573 h1.91
  text "DATE" at 366.523,-28.573 h1.91
  text "DRILL DRAWING" at 30.86,-29.88 h1.6
  text "DIMENSIONS ARE IN MILIMETERS" at 256.033,-34.923 h1.91
  text "MA'AGALIM" at 337.483,-35.939 h2.54
  text "DRAWN" at 318.263,-36.193 h1.91
  text "28/09/24" at 362.341,-36.244 h2.03
  text "WEIZMANN" at 421.79,-37.53 h6.35
  text "TOLERANCES ON;" at 256.033,-40.003 h1.91
  text "CHECKED" at 318.263,-43.813 h1.91
  text "2 PL DECIMALS +" at 256.033,-45.083 h1.91
  text "A" at 511.304,-46.353 h6.35
  text "A" at -34.797,-48.893 h6.35
  text "3 PL DECIMALS +" at 256.033,-50.163 h1.91
  text "ENGRG" at 318.263,-51.433 h1.91
  text "TITLE:" at 400.39,-53.973 h5.08
  text "ANGLES +" at 256.033,-55.243 h1.91
  text "DAC-SOURCES" at 441.03,-55.243 h5.08
  text "ISSUED" at 318.263,-59.053 h1.91
  text "FRACTIONS +" at 256.033,-60.323 h1.91
  text "DRILLING INFORMATION FOR P.C. BOARD" at 386.843,-65.251 h3.18
  text "MA'AGALIM LTD." at 252.935,-69.594 h3.96
  text "SIZE" at 381.763,-73.023 h1.91
  text "FSCM NO" at 394.463,-73.023 h1.91
  text "DWG NO" at 419.863,-73.023 h1.91
  text "REV" at 494.201,-73.785 h2.54
  text "22 Maskit St." at 263.095,-76.833 h2.54
  text "A" at 448.65,-76.833 h5.08
  text "C" at 383.931,-79.576 h5.08
  text "A" at 493.354,-80.186 h5.08
  text "Herzelia Pituach" at 258.015,-81.913 h2.54
  text "SCALE" at 380.493,-85.723 h1.91
  text "Israel" at 268.175,-86.993 h2.54
  text "SHEET 1 OF 1" at 467.311,-87.196 h2.54
  text "1:1" at 391.72,-87.501 h2.54
  text "4" at 26.163,-102.233 h6.35
  text "3" at 163.323,-102.233 h6.35
  text "2" at 313.183,-102.233 h6.35

## Dimensions
0,0 to -2.34,-4.8 on Drill Drawing
277,0 to 277,137 on Drill Drawing
0,137 to 277,137 on Drill Drawing

## Text inside footprints (layer, text, board x,y; h text height)
J1: Top Overlay "1" at 164.535,90.798 h2; Top Overlay "2" at 156.152,90.798 h2; Top Overlay "99" at 164.49,50.031 h2; Top Overlay "100" at 154.42,50.061 h2; Top Assembly top/Assembly Bot "1" at 163.769,89.516 h2 r90; Top Assembly top/Assembly Bot "2" at 159.578,89.515 h2 r90; Top Assembly top/Assembly Bot "99" at 163.621,50.781 h2 r90; Top Assembly top/Assembly Bot "100" at 159.43,51.289 h2 r90
J2: Top Overlay "100" at 112.609,49.25 h2 r90; Top Overlay "99" at 121.119,49.49 h2 r90; Top Overlay "2" at 111.702,90.798 h2; Top Overlay "1" at 120.085,90.798 h2; Top Assembly top/Assembly Bot "100" at 114.839,50.2 h2 r90; Top Assembly top/Assembly Bot "99" at 119.171,50.781 h2 r90; Top Assembly top/Assembly Bot "2" at 114.91,90.489 h2 r90; Top Assembly top/Assembly Bot "1" at 119.13,90.71 h2 r90
J3: Top Assembly top/Assembly Bot "PCB EDGE" at 130.968,135.661 h2; Top Assembly top/Assembly Bot "1" at 136.01,132.38 h2 r90
J6: Top Overlay "3" at 15.71,122.382 h2; Top Overlay "2" at 13.906,119.319 h2 r90; Top Overlay "1" at 6.636,119.76 h2 r90; Top Assembly top/Assembly Bot "1" at 8.446,123.37 h2 r90; Top Assembly top/Assembly Bot "3" at 14.624,124.46 h2 r90; Top Assembly top/Assembly Bot "2" at 11.416,120.819 h2 r90; Top Assembly top/Assembly Bot "PCB EDGE" at -0.185,120.6 h2 r90
J25: Top Overlay "1" at 158.99,121.42 h2 r90; Top Assembly top/Assembly Bot "1" at 156.42,120.95 h2
P1: Top Overlay "20" at 84.059,100.911 h2; Top Overlay "19" at 84.17,103.421 h2; Top Overlay "1" at 60.15,105.69 h2 r90; Top Assembly top/Assembly Bot "19" at 81.54,103.461 h2; Top Assembly top/Assembly Bot "20" at 81.449,100.811 h2; Top Assembly top/Assembly Bot "1" at 59.35,103.44 h2
P2: Top Overlay "1" at 98.37,89.14 h2 r90; Top Assembly top/Assembly Bot "1" at 98.33,90.83 h2 r90
P3: Top Overlay "1" at 77.52,83.7 h2; Top Assembly top/Assembly Bot "1" at 75.53,83.69 h2
P4: Top Overlay "1" at 84.08,55.13 h2 r180; Top Assembly top/Assembly Bot "1" at 81.72,53.7 h2
P5: Top Overlay "1" at 185.47,60.83 h2 r90; Top Assembly top/Assembly Bot "1" at 185.56,59.06 h2 r90
P6: Top Overlay "1" at 199.67,81.64 h2 r90; Top Assembly top/Assembly Bot "1" at 199.61,79.91 h2 r90
P7: Top Overlay "1" at 129.47,2.34 h2; Top Assembly top/Assembly Bot "1" at 131.25,2.43 h2
P8: Top Overlay "1" at 107.02,121.18 h2; Top Assembly top/Assembly Bot "1" at 105.07,121.41 h2
P9: Top Overlay "1" at 169.36,130.62 h2; Top Assembly top/Assembly Bot "1" at 169.37,128.4 h2
P10: Top Overlay "8" at 150.38,4.971 h2; Top Overlay "7" at 150.41,2.35 h2; Top Overlay "1" at 162.23,2.46 h2; Top Assembly top/Assembly Bot "7" at 152.49,2.36 h2; Top Assembly top/Assembly Bot "8" at 152.41,4.991 h2; Top Assembly top/Assembly Bot "1" at 160.1,2.44 h2
P13: Top Overlay "1" at 69.87,132.66 h2 r90; Top Assembly top/Assembly Bot "1" at 69.34,130.5 h2
P14: Top Overlay "1" at 69.74,124.26 h2 r90; Top Assembly top/Assembly Bot "1" at 69.5,122.06 h2
P15: Top Overlay "1" at 75.3,113.65 h2; Top Assembly top/Assembly Bot "1" at 73.38,113.67 h2
U1: Top Overlay "A1" at 86.56,61.76 h1.5; Top Assembly top/Assembly Bot "A1" at 87.99,62.94 h2 r90
U6: Top Overlay "A1" at 184.024,73.653 h1.5; Top Assembly top/Assembly Bot "A1" at 183.33,71.97 h2